# Allegro board C000PD020-3399PRO-DMEB-A-A01.brd (continued)
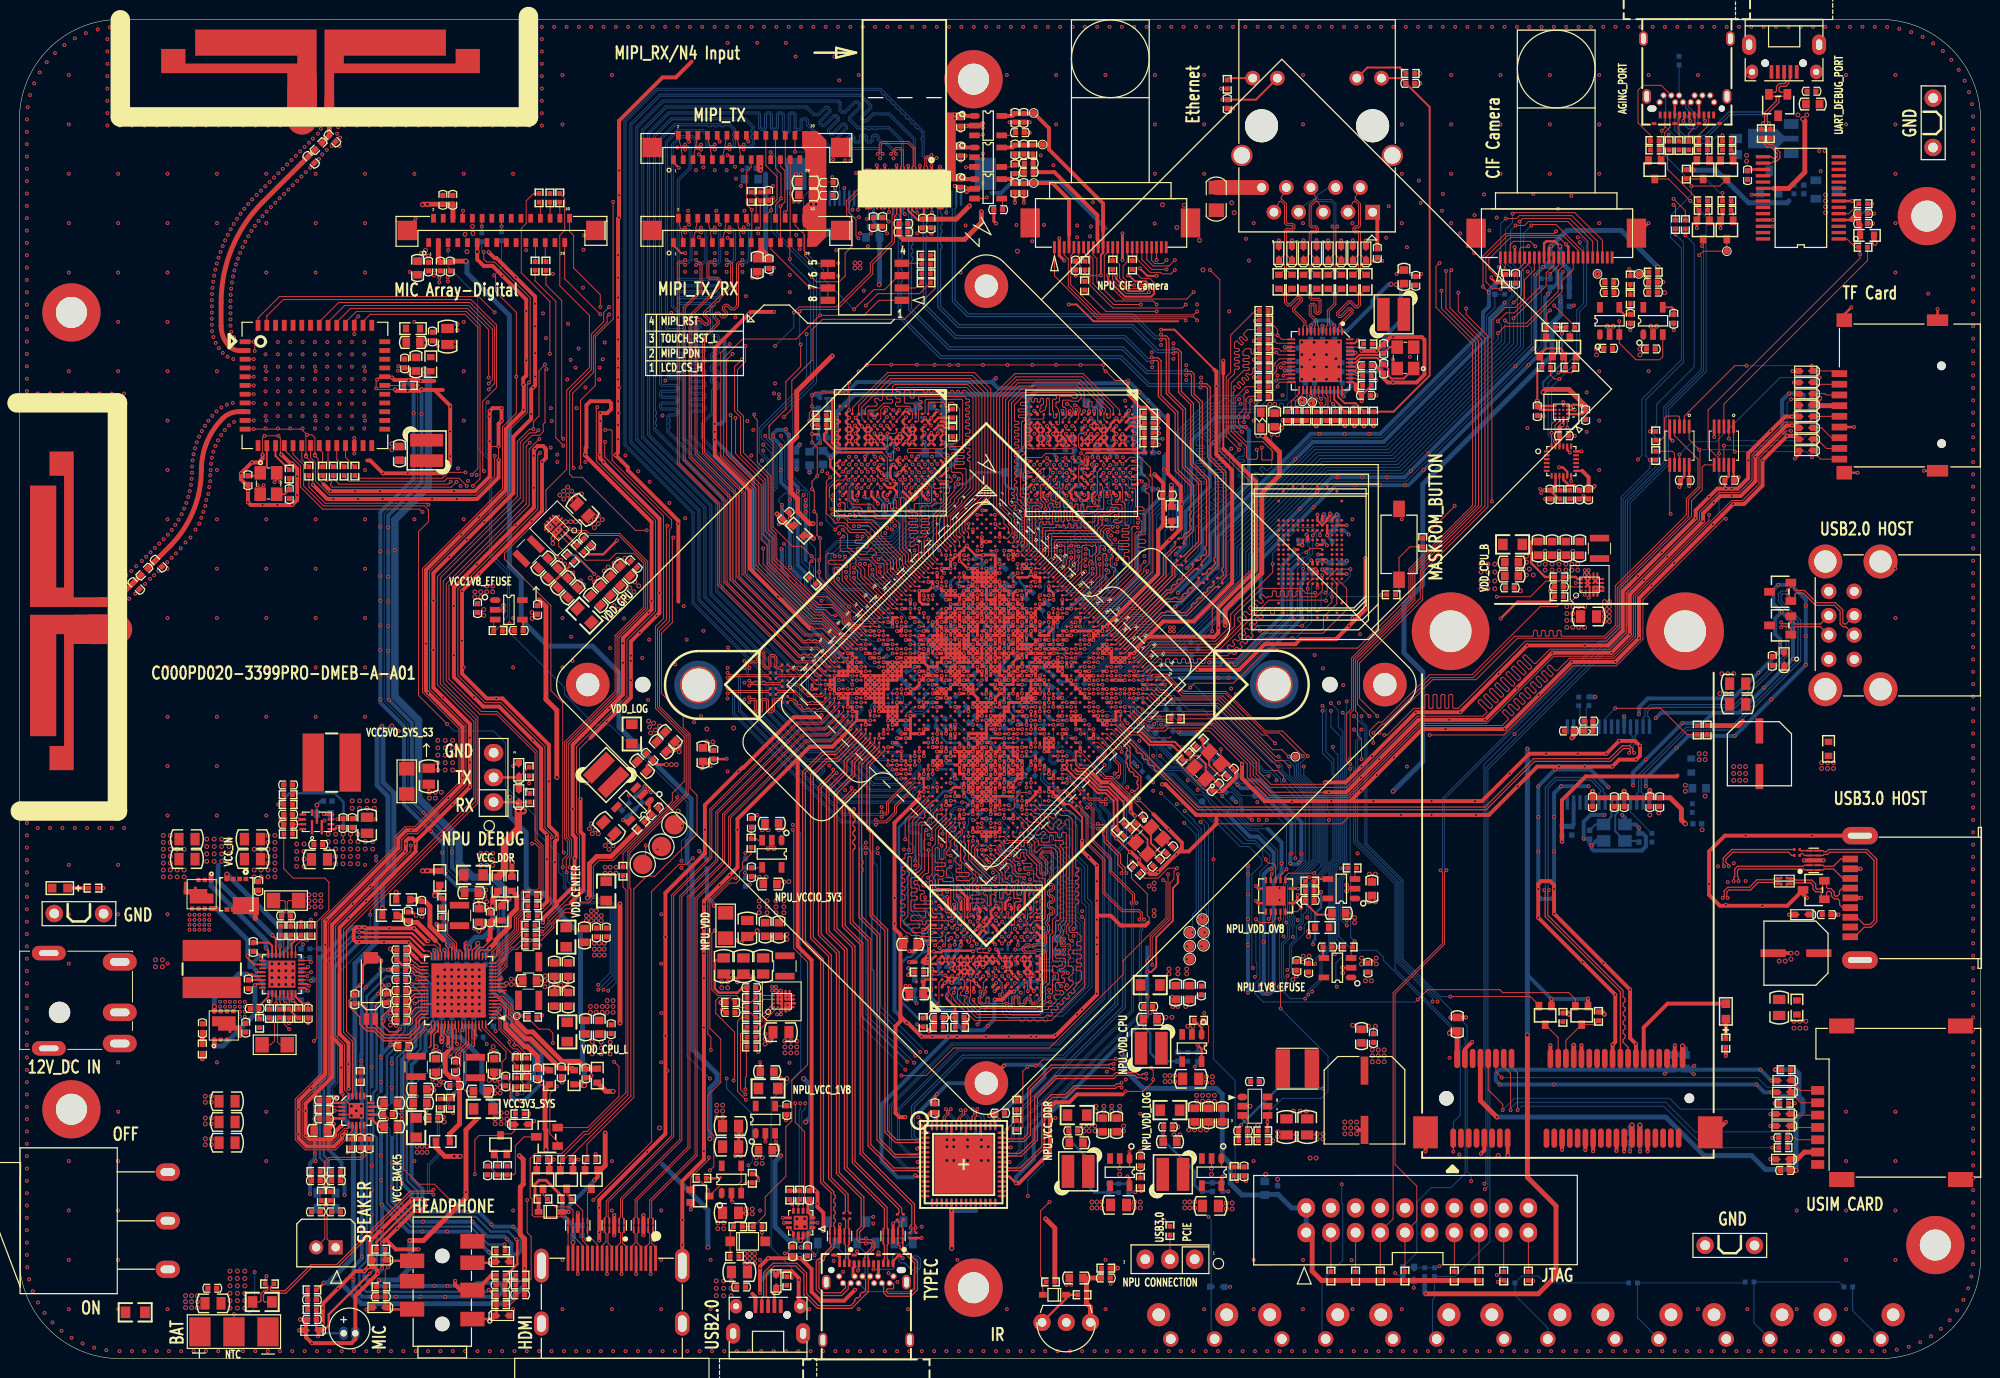
[diagram p0: board, top side]
## Routing (per net, layer and track width the routed paths; a pad name or vN(x,y) marks a point on that pad's centre or on a via; arc(x,y) is an arc through that point) (continued)
DDR1_D14: length 21.3
  TOP w0.102: U1000.A14 106.5,82.34 106.5,84.01 106.77,84.28 111.23,84.28 111.53,84.59 111.53,85.14 111.82,85.43 112.15,85.43 112.35,85.23 112.55,85.03 112.94,85.03 v1(112.98,85.07) ; U3600.E9 111.91,91.62 v1(112.24,91.95)
  BOTTOM w0.102: v1(112.98,85.07) 114.09,85.07 114.68,85.66 114.68,87.46 114.83,87.61 114.83,89.64 114.43,90.05 114.43,90.45 113.94,90.94 113.94,91.35 113.61,91.68 112.72,91.68 112.45,91.95 v1(112.24,91.95)
DDR1_D15: length 22.3
  TOP w0.102: v1(111.99,85.07) 111.94,85.02 111.94,84.49 112.45,83.97 112.45,83.81 112.35,83.71 112.06,83.71 111.75,84.02 106.95,84.02 106.77,83.84 106.77,82.13 105.48,80.84 105.38,80.84 U1000.B14 ; v1(112.15,91.13) 112.23,91.13 112.56,91.46 U3600.D9
  BOTTOM w0.102: v1(111.99,85.07) 112.1,85.18 112.1,85.7 112.61,86.21 113.27,86.21 113.5,85.98 113.97,85.98 114.07,86.08 114.07,87.97 114.22,88.12 114.22,88.25 114.14,88.34 113.91,88.34 113.82,88.43 113.82,89.08 113.91,89.17 114.14,89.17 114.22,89.26 114.22,89.38 114.14,89.47 113.91,89.47 113.82,89.56 113.82,89.85 113.72,89.95 113.44,89.95 113.21,90.17 113.21,90.47 113,90.69 112.6,90.69 112.5,90.79 112.5,91.02 112.38,91.13 v1(112.15,91.13)
DDR1_D16: length 25
  TOP w0.102: U1000.A19 107.77,79.02 108.11,79.36 108.43,79.69 109.55,80.8 109.55,80.88 v1(109.66,80.99) ; v1(104.42,91.96) 104.42,92.02 104.75,92.35 U3600.T8
  S1 w0.102: v1(109.66,80.99) 109.63,81.03 109.22,81.03 109.12,81.13 109.12,81.41 109.02,81.51 108.81,81.51 108.71,81.41 108.71,81.13 108.61,81.03 108.41,81.03 108.31,81.13 108.31,81.41 108.2,81.51 108,81.51 107.9,81.41 107.9,81.13 107.8,81.03 107.59,81.03 107.49,81.13 107.49,81.41 107.39,81.51 107.19,81.51 107.09,81.41 107.09,81.13 106.99,81.03 106.71,81.03 104.11,83.62 104.11,84.69 101.68,87.13 101.68,91.15 103.45,92.92 104.32,92.92 104.42,92.81 v1(104.42,91.96)
DDR1_D17: length 26
  TOP w0.102: v1(110.41,81.81) 110.41,82.05 110.33,82.13 110.19,82.13 110.08,82.02 110.08,82.01 110.04,81.96 110.04,81.65 110.08,81.6 110.08,80.85 107.77,78.54 107.62,78.54 U1000.B19 ; v1(103.8,91.21) 103.85,91.16 104.33,91.16 104.33,91.15 104.73,91.55 U3600.T9
  S1 w0.102: v1(110.41,81.8) 110.35,81.74 110.12,81.74 109.98,81.89 106.35,81.89 105.98,82.27 105.98,82.41 106.34,82.77 106.34,82.92 106.2,83.06 106.06,83.06 105.69,82.7 105.55,82.7 105.41,82.84 105.41,82.98 105.77,83.35 105.77,83.49 105.63,83.64 105.48,83.64 105.12,83.27 104.97,83.27 104.42,83.83 104.42,84.79 102.08,87.13 102.08,90.99 102.36,91.27 103.73,91.27 v1(103.8,91.21)
DDR1_D18: length 25.4
  TOP w0.102: U1000.A20 110.44,80.76 110.44,80.78 110.42,80.78 110.42,80.78 v1(110.43,80.78) ; v1(104.34,90.35) 104.75,90.75 U3600.T10
  S1 w0.102: v1(104.34,90.35) 104.33,90.35 103.95,89.97 103.62,89.97 103.29,89.64 103.29,89.32 103.51,89.11 103.51,88.85 103.4,88.75 103.25,88.75 103.15,88.65 103.15,88.55 103.25,88.45 103.4,88.45 103.51,88.34 103.51,88.24 103.4,88.14 102.9,88.14 102.79,88.04 102.79,87.94 102.9,87.84 103.4,87.84 103.51,87.73 103.51,87.56 103.44,87.5 102.86,87.5 102.79,87.42 102.79,87.24 102.9,87.13 103.25,87.13 103.35,87.03 103.35,86.77 105.74,84.38 109.78,84.38 110.41,83.75 110.41,82.96 110.72,82.66 111.34,82.66 111.5,82.49 111.5,81.6 111.5,81.59 111.5,81.57 111.48,81.55 111.48,81.39 111.39,81.3 110.96,81.3 110.87,81.21 110.87,81.08 110.96,81 111.29,81 111.38,80.9 111.38,80.7 111.07,80.4 110.46,80.4 110.41,80.45 110.41,80.73 110.44,80.76 110.44,80.78 110.42,80.78 110.42,80.78 v1(110.43,80.78)
DDR1_D19: length 25.7
  TOP w0.102: 107.77,78.09 108.25,78.09 110.87,80.71 110.87,81.39 110.77,81.49 110.77,81.95 110.72,82 110.72,82.47 111.18,82.93 111.18,83.57 111.28,83.67 111.61,83.67 111.75,83.53 111.75,83.39 v1(111.63,83.27) ; U3600.T11 104.52,89.95 104.42,89.85 v1(104.42,89.51)
  S1 w0.102: v1(104.42,89.51) 104.42,89.26 104.11,88.96 104.11,88.5 104.22,88.4 104.67,88.4 104.78,88.29 104.78,86.37 105.54,85.6 106.09,85.6 106.2,85.5 106.2,85.1 106.3,84.99 106.44,84.99 106.53,85.09 106.53,85.51 106.62,85.6 106.75,85.6 106.84,85.51 106.84,85.09 106.92,84.99 107.05,84.99 107.14,85.09 107.14,85.51 107.23,85.6 107.36,85.6 107.44,85.51 107.44,85.09 107.53,84.99 107.66,84.99 107.75,85.09 107.75,85.51 107.84,85.6 107.97,85.6 108.05,85.51 108.05,85.09 108.14,84.99 108.27,84.99 108.36,85.09 108.36,85.51 108.45,85.6 108.58,85.6 108.66,85.51 108.66,85.09 108.75,84.99 110.11,84.99 111.13,83.98 111.49,83.98 111.79,83.68 111.79,83.42 v1(111.63,83.27)
DDR1_D20: length 24.7
  TOP w0.102: v1(105.02,91.97) 105.04,91.97 105.41,92.33 105.41,92.35 U3600.R8 ; v1(111.15,81.74) 111.18,81.74 111.18,80.58 U1000.A21
  S1 w0.102: v1(111.15,81.74) 111.18,81.74 111.18,81.74 111.13,81.74 110.11,82.76 110.11,83.62 109.65,84.08 105.54,84.08 102.49,87.13 102.49,88.34 102.59,88.45 102.74,88.45 102.84,88.55 102.84,88.65 102.74,88.75 102.59,88.75 102.49,88.85 102.49,88.95 102.59,89.06 102.9,89.06 103,89.16 103,89.26 102.9,89.36 102.59,89.36 102.49,89.46 102.49,89.56 102.59,89.67 102.9,89.67 103,89.77 103,89.87 102.84,90.02 102.84,90.17 102.95,90.27 103.77,90.27 104.25,90.76 104.25,91.2 v1(105.02,91.97)
DDR1_D21: length 25.7
  TOP w0.102: 108.23,77.63 108.23,77.63 108.7,77.63 109.01,77.94 109.02,77.94 111.49,80.4 111.49,81.58 111.5,81.6 111.5,81.89 111.5,81.89 111.5,82.03 111.48,82.04 111.48,82.75 111.59,82.86 111.73,82.86 111.86,82.73 v1(111.86,82.2) ; v1(104.99,91.15) 105,91.16 105,91.37 105.19,91.55 U3600.R9
  S1 w0.102: v1(111.86,82.2) 111.86,82.53 110.72,83.67 110.72,83.88 109.91,84.69 105.94,84.69 103.81,86.82 103.81,87.03 103.91,87.13 104.32,87.13 104.4,87.21 104.4,87.35 104.32,87.43 103.91,87.43 103.81,87.53 103.81,87.71 103.9,87.8 104.38,87.8 104.47,87.89 104.47,88.01 104.38,88.1 103.9,88.1 103.81,88.19 103.81,89.08 104.01,89.28 104.01,89.61 104.34,89.94 104.48,89.94 104.7,90.16 104.7,90.86 v1(104.99,91.15)
DDR1_D22: length 25.6
  TOP w0.102: v1(112.62,83.27) 112.62,83.06 112.4,82.84 112.4,82.73 112.55,82.58 112.55,82.45 112.46,82.37 112.33,82.37 112.24,82.28 112.24,81.64 112.49,81.39 112.72,81.39 112.8,81.31 112.8,81.13 112.6,80.93 112.6,80.62 109.14,77.17 108.94,77.17 U1000.B22 ; v1(105.05,90.35) 105.3,90.35 105.41,90.46 U3600.R10
  S1 w0.102: v1(105.05,90.35) 105.03,90.35 105.05,90.33 105.05,90.1 104.88,89.92 104.88,89.72 105.08,89.51 105.08,89 104.9,88.82 104.9,88.63 105.18,88.34 105.18,86.47 105.74,85.91 108.97,85.91 109.06,85.82 109.06,85.39 109.15,85.3 109.27,85.3 109.36,85.39 109.36,85.82 109.45,85.91 109.58,85.91 109.67,85.82 109.67,85.39 109.76,85.3 109.88,85.3 109.97,85.39 109.97,85.82 110.06,85.91 110.21,85.91 110.31,85.81 110.31,85.4 110.41,85.3 110.56,85.3 110.7,85.44 110.85,85.44 111.13,85.17 111.13,85.1 110.85,84.82 110.85,84.68 111.23,84.31 111.66,84.31 112.62,83.35 v1(112.62,83.27)
DDR1_D23: length 25.1
  TOP w0.102: U3600.R11 105.18,89.95 105.18,89.96 105.08,89.86 105.08,88.4 105.55,87.92 105.55,87.44 v1(105.59,87.41) ; v1(111.85,81.15) 111.85,81.15 111.91,81.21 112.09,81.21 112.19,81.11 112.19,80.9 112.09,80.8 111.89,80.8 111.79,80.7 111.79,80.27 U1000.A22
  S1 w0.102: v1(105.59,87.41) 105.59,87.03 105.69,86.92 106.07,86.92 106.25,86.75 106.25,86.31 106.35,86.21 106.74,86.21 106.83,86.3 106.83,86.73 106.92,86.82 107.05,86.82 107.14,86.73 107.14,86.3 107.23,86.21 107.35,86.21 107.44,86.3 107.44,86.73 107.53,86.82 107.66,86.82 107.75,86.73 107.75,86.3 107.84,86.21 107.96,86.21 108.05,86.3 108.05,86.73 108.14,86.82 108.27,86.82 108.36,86.73 108.36,86.3 108.45,86.21 108.57,86.21 108.66,86.3 108.66,86.73 108.75,86.82 108.88,86.82 108.97,86.73 108.97,86.3 109.06,86.21 109.77,86.21 110.07,86.52 110.21,86.52 111.43,85.3 111.43,84.99 113,83.42 113,83.14 112.23,82.36 112.23,81.46 111.95,81.18 111.88,81.18 v1(111.85,81.15)
DDR1_D24: length 22.4
  TOP w0.102: U3600.C11 113.52,89.64 113.52,88.19 113.61,88.09 113.77,87.94 113.77,85.86 113.86,85.77 114.08,85.77 114.17,85.68 114.17,85.53 114.07,85.43 113.55,85.43 113.46,85.34 113.46,85.21 113.55,85.13 114.08,85.13 114.17,85.04 114.17,84.91 114.08,84.82 113.55,84.82 113.46,84.73 113.46,84.61 113.55,84.52 114.08,84.52 114.17,84.43 114.17,84.26 114.08,84.17 113.17,84.17 113.08,84.08 113.08,83.96 113.17,83.87 114.08,83.87 114.17,83.77 114.17,83.65 114.08,83.56 113.17,83.56 113.08,83.47 113.08,83.35 113.17,83.26 114.08,83.26 114.17,83.17 114.17,83.04 114.08,82.95 113.77,82.95 113.68,82.86 113.68,82.65 113.78,82.55 114.07,82.55 114.17,82.45 114.17,81.74 U1000.A23
DDR1_D25: length 21.3
  TOP w0.102: v1(115.09,85.5) 114.97,85.62 114.58,85.62 114.48,85.52 114.48,81.58 109.6,76.71 U1000.B23 ; U3600.C10 113.21,90.73 v1(113.6,90.34)
  S1 w0.102: v1(115.09,85.5) 114.68,85.91 114.68,86.82 114.78,86.92 115.29,86.92 115.49,87.13 115.49,87.41 115.41,87.5 114.87,87.5 114.78,87.59 114.78,87.71 114.87,87.8 115.41,87.8 115.49,87.89 115.49,88.02 115.41,88.11 114.87,88.11 114.78,88.2 114.78,88.32 114.87,88.41 115.05,88.41 115.14,88.5 115.14,88.96 115.04,89.06 114.37,89.06 114.07,89.36 114.07,89.87 v1(113.6,90.34)
DDR1_D26: length 19.6
  TOP w0.102: v1(113.59,91.16) 113.59,91.17 U3600.C9 ; v1(115.09,86.52) 115.49,86.11 115.49,85.18 115.39,85.08 114.97,85.08 114.78,84.89 114.78,81.43 U1000.A24
  S1 w0.102: v1(115.09,86.52) 115.7,86.52 115.8,86.62 115.8,88.71 115.14,89.36 114.53,89.36 114.38,89.51 114.38,90.12 113.72,90.78 113.69,90.78 113.59,90.88 v1(113.59,91.16)
DDR1_D27: length 19.9
  TOP w0.102: U1000.A25 110.52,76.25 115.39,81.12 115.39,81.61 v1(115.78,82) ; v1(113.51,92.06) 113.5,92.06 U3600.C8
  S1 w0.102: v1(113.51,92.06) 113.94,91.63 113.94,90.97 114.63,90.28 114.63,89.88 114.84,89.67 115.25,89.67 116.1,88.81 116.1,82.32 v1(115.78,82)
DDR1_D28: length 22.9
  TOP w0.102: U3600.B11 114.24,89.57 114.68,89.57 114.86,89.39 114.86,87.73 114.95,87.64 115.54,87.64 115.73,87.46 115.73,87.33 115.64,87.24 114.77,87.24 114.68,87.15 114.68,87.03 114.78,86.92 115.7,86.92 115.85,86.77 115.85,84.88 115.73,84.77 115.19,84.77 115.09,84.67 115.09,84.4 115.19,84.3 115.76,84.3 115.86,84.2 115.86,83.99 115.76,83.89 115.19,83.89 115.09,83.79 115.09,83.59 115.19,83.48 115.76,83.48 115.86,83.38 115.86,83.18 115.76,83.08 115.19,83.08 115.09,82.98 115.09,81.28 110.06,76.25 109.86,76.25 109.85,76.25 U1000.B24
DDR1_D29: length 19.4
  TOP w0.102: v1(115.5,90.26) 115.34,90.43 114.35,90.43 114.03,90.75 U3600.B10 ; U1000.A26 111.36,76.16 116.05,80.85 v1(116.05,81.04)
  S1 w0.102: v1(115.5,90.26) 115.62,90.38 115.92,90.38 116.41,89.9 116.41,81.39 v1(116.05,81.04)
DDR1_D30: length 21.4
  TOP w0.102: U3600.B9 114.23,91.93 115.14,91.93 115.44,91.62 115.44,91.2 116.24,90.4 116.24,89.7 116.08,89.54 115.95,89.54 115.85,89.44 115.85,89.17 115.95,89.07 116.14,89.07 116.24,88.97 116.24,81.82 115.7,81.27 115.7,80.97 110.52,75.79 U1000.B25
DDR1_D31: length 22.3
  TOP w0.102: U3600.B8 114.24,92.74 115.32,92.74 116.39,91.68 116.39,90.79 116.56,90.61 116.56,80.92 110.97,75.33 110.52,75.33 U1000.B26
DDR1_DM0: length 25.8
  TOP w0.102: v1(105.01,78.54) 104.83,78.37 104.83,78.22 104.97,78.09 U1000.E17 ; v1(107.63,92.71) 107.99,92.35 U3600.L8
  BOTTOM w0.102: v1(107.63,92.71) 107.26,92.71 106.91,92.36 106.3,92.36 106.1,92.16 106.1,91.9 105.87,91.67 105.55,91.67 105.39,91.51 105.39,91.01 105.11,90.73 104.88,90.73 104.7,90.55 104.7,90.2 104.47,89.97 104.32,89.97 104.01,89.67 104.01,89.16 103.81,88.96 102.39,88.96 102.29,88.85 102.29,88.55 102.37,88.46 102.6,88.46 102.69,88.37 102.69,88.25 102.6,88.16 102.37,88.16 102.29,88.07 102.29,87.94 102.37,87.85 102.6,87.85 102.69,87.76 102.69,87.64 102.6,87.55 102.37,87.55 102.29,87.46 102.29,87.33 102.37,87.24 102.6,87.24 102.69,87.15 102.69,87.03 102.6,86.94 102.37,86.94 102.29,86.85 102.29,86.72 102.37,86.63 102.6,86.63 102.69,86.54 102.69,86.42 102.6,86.33 102.37,86.33 102.29,86.24 102.29,86.11 102.37,86.02 102.6,86.02 102.69,85.93 102.69,85.81 102.6,85.72 102.37,85.72 102.29,85.63 102.29,85.45 102.37,85.36 102.6,85.36 102.69,85.27 102.69,85.14 102.6,85.05 102.37,85.05 102.29,84.96 102.29,84.84 102.37,84.75 102.6,84.75 102.69,84.66 102.69,84.53 102.6,84.44 102.37,84.44 102.29,84.35 102.29,84.08 102.39,83.98 102.49,83.98 102.69,83.77 102.69,83.22 103.67,82.25 103.81,82.25 104.9,81.16 105.36,81.16 105.86,80.66 105.86,79.97 105.49,79.6 105.49,79.03 v1(105.01,78.54)
DDR1_DM1: length 24.5
  TOP w0.102: U1000.E14 104.08,79.46 v1(104.09,79.46) ; U3600.G8 110.6,92.35 110.35,92.1 v1(110.35,92.01)
  S1 w0.102: v1(112.75,84.28) 113.33,83.7 113.33,83.1 112.44,82.2 112.44,81.22 110.9,79.69 107.42,79.69 106.27,80.83 105.06,80.83 104.53,80.29 104.37,80.29 104.09,80.01 v1(104.09,79.46)
  BOTTOM w0.102: v1(112.75,84.28) 112.24,84.28 110.97,85.55 110.97,86.8 111.56,87.39 111.56,89.05 111.18,89.44 111.18,90.05 110.87,90.35 110.87,91.17 110.3,91.74 110.3,91.96 v1(110.35,92.01)
DDR1_DM2: length 27.7
  TOP w0.102: v1(106.38,77.16) 106.39,77.16 U1000.E20 ; v1(105.75,92.66) U3600.P8
  S1 w0.102: v1(106.38,77.16) 106.78,77.16 107.32,77.7 107.44,77.7 108.43,78.69 111.2,78.69 114.09,81.59 114.09,82.06 114.02,82.14 114.02,83.53 112.34,85.21 112.34,85.22 112.13,85.42 112.13,85.42 111.85,85.71 111.53,85.71 110.11,87.13 106.38,87.13 105.39,88.12 105.39,90.19 105.4,90.21 105.4,90.87 105.37,90.9 105.37,92.28 v1(105.75,92.66)
DDR1_DM3: length 22.3
  TOP w0.089: U1000.E23 v1(108.22,75.33)
  TOP w0.102: U3600.D8 v1(112.88,92.03)
  S1 w0.102: v1(108.22,75.33) 108.22,75.85 109.45,77.07 110.9,77.07 114.83,81.01 114.83,84.34 113.87,85.31 113.87,86.52 112.48,87.91 112.48,90.89 112.51,90.92 112.51,91.38 112.88,91.75 v1(112.88,92.03)
DDR1_DQS0M: length 26.2
  TOP w0.102: U3600.L11 108.01,89.96 107.78,89.96 107.68,89.85 107.68,89.63 107.74,89.58 107.74,89.57 v1(107.73,89.57) ; v1(105.92,78.54) 105.85,78.47 105.55,78.47 U1000.D17
  BOTTOM w0.102: v1(107.73,89.57) 107.74,89.57 107.74,89.58 107.68,89.63 107.68,89.86 107.77,89.95 107.96,89.95 108.13,89.78 108.13,86.38 108.5,86.01 109.06,86.01 111.02,84.05 111.02,82.97 111.43,82.56 112.14,82.56 112.24,82.45 112.24,81.44 112.85,80.83 112.85,79.49 112.46,79.09 112.36,79 112.11,79 112.09,79.02 112.02,79.09 112.02,80.32 111.81,80.52 111.34,80.52 111.13,80.32 111.13,79.12 111.01,79 108.87,79 108.77,79.1 108.77,79.18 108.67,79.28 108.46,79.28 108.36,79.18 108.36,79.1 108.26,79 108.03,79 107.58,79.45 106.97,79.45 106.3,78.77 106.3,78.47 106.2,78.36 106,78.36 105.92,78.44 v1(105.92,78.54)
DDR1_DQS0P: length 25.5
  TOP w0.102: U1000.D18 106.39,78.09 v1(106.4,78.07) ; U3600.L10 108.01,90.66 107.76,90.42 107.76,90.36 v1(107.74,90.36)
  BOTTOM w0.102: v1(106.4,78.07) 106.37,78.07 106.49,78.19 106.49,78.27 106.5,78.28 106.5,78.69 107.03,79.21 107.42,79.21 107.84,78.8 111.1,78.8 111.33,79.03 111.33,80.23 111.42,80.32 111.72,80.32 111.8,80.25 111.82,80.23 111.82,79 112.02,78.8 112.45,78.8 113.06,79.41 113.06,80.91 112.45,81.52 112.45,82.54 112.23,82.76 111.52,82.76 111.23,83.05 111.23,84.13 109.14,86.21 108.59,86.21 108.33,86.47 108.33,89.87 108.05,90.15 107.96,90.15 107.76,90.36 v1(107.74,90.36)
DDR1_DQS1M: length 23.5
  TOP w0.102: v1(110.36,89.54) 110.28,89.62 110.28,89.85 110.38,89.95 110.6,89.96 U3600.G11 ; v1(104.55,79.92) 104.41,80.06 104.22,80.06 U1000.D14
  S1 w0.102: v1(104.55,79.92) 104.55,79.84 104.65,79.74 104.79,79.74 104.88,79.82 104.88,80.18 105.2,80.5 105.75,80.5 105.94,80.31 106.05,80.31 106.24,80.13 106.24,80.01 106.85,79.4 111.11,79.4 113.16,81.45 113.16,82.08 113,82.24 112.96,82.24 112.96,82.23 v1(112.96,82.23)
  BOTTOM w0.102: v1(110.36,89.54) 110.36,89.76 110.46,89.86 110.57,89.86 110.67,89.76 110.67,89.34 110.26,88.93 110.26,88.6 109.93,88.27 109.93,88.1 109.93,87.65 110.41,87.17 110.41,85.37 112.11,83.67 113.26,83.67 113.36,83.57 113.36,83.25 113.16,83.05 113.16,82.42 113.11,82.37 113.11,82.33 113.02,82.24 112.96,82.24 112.96,82.23 v1(112.96,82.23)
DDR1_DQS1P: length 23.3
  TOP w0.102: v1(105,79.45) 104.99,79.46 U1000.D15 ; U3600.G10 110.6,90.75 110.26,90.41 v1(110.26,90.35)
  S1 w0.102: v1(113.51,82.3) 113.51,82.24 113.36,82.09 113.36,81.36 111.18,79.18 106.78,79.18 105.66,80.29 105.28,80.29 105.11,80.12 105.11,79.56 v1(105,79.45)
  BOTTOM w0.102: v1(113.51,82.3) 113.46,82.3 113.36,82.4 113.36,82.96 113.56,83.17 113.56,83.66 113.34,83.88 112.2,83.88 110.88,85.2 110.62,85.46 110.62,87.26 110.13,87.74 110.13,88.19 110.46,88.52 110.46,88.85 110.87,89.25 110.87,89.85 110.63,90.09 110.53,90.09 v1(110.26,90.35)
DDR1_DQS2M: length 26.1
  TOP w0.102: U3600.P11 106.06,89.96 105.74,89.64 v1(105.74,89.56) ; v1(107.3,77.16) 107.18,77.04 106.97,77.04 U1000.D20
  S1 w0.102: v1(105.74,89.56) 105.74,89.87 105.84,89.97 106.05,89.97 106.16,89.85 106.16,87.9 106.16,87.77 106.5,87.43 111.23,87.43 112.52,86.14 113.14,86.14 113.36,85.93 113.36,85.01 114.33,84.05 114.33,81.3 110.79,77.75 110.41,77.75 110.08,78.09 109.32,78.09 108.99,77.75 108.03,77.75 107.87,77.6 107.77,77.6 107.62,77.45 107.62,77.25 107.52,77.15 107.32,77.15 v1(107.3,77.16)
DDR1_DQS2P: length 26.2
  TOP w0.102: v1(107.76,76.7) 107.31,76.7 U1000.D21 ; U3600.P10 105.77,90.47 v1(105.77,90.35)
  S1 w0.102: v1(105.77,90.35) 105.94,90.17 106.13,90.17 106.28,90.02 106.3,90.02 106.33,89.99 106.33,89.97 106.37,89.93 106.37,87.86 106.59,87.64 111.14,87.64 111.14,87.64 111.31,87.64 112.6,86.34 113.23,86.34 113.56,86.01 113.56,85.84 113.56,85.1 114.53,84.13 114.53,83.96 114.53,83.96 114.53,81.38 114.53,81.38 114.53,81.21 110.99,77.67 110.87,77.55 110.33,77.55 110,77.88 109.41,77.88 109.08,77.55 108.11,77.55 107.96,77.4 107.96,77.4 107.82,77.26 107.82,76.76 v1(107.76,76.7)
DDR1_DQS3M: length 20.9
  TOP w0.102: U3600.D11 112.58,89.98 112.76,89.98 112.89,89.85 v1(112.89,89.61) ; U1000.D23 108.4,75.61 108.55,75.61 108.68,75.74 v1(108.68,75.78)
  S1 w0.102: v1(112.89,89.61) 112.8,89.7 112.8,89.84 112.9,89.94 113.14,89.94 113.46,89.62 113.46,88.67 114.17,87.96 114.17,85.5 115.19,84.49 115.19,80.51 111.73,77.05 111.73,76.85 111.45,76.57 110.06,76.57 109.67,76.18 109.67,76.04 109.41,75.78 109.13,75.78 109.09,75.75 108.72,75.75 v1(108.68,75.78)
DDR1_DQS3P: length 20.7
  TOP w0.102: v1(109.14,75.33) 109.14,75.33 U1000.D24 ; U3600.D10 112.56,90.75 112.85,90.46 v1(112.85,90.32)
  S1 w0.102: v1(112.85,90.32) 112.89,90.32 113.04,90.17 113.21,90.17 113.67,89.72 113.67,88.75 114.38,88.04 114.38,85.59 115.39,84.57 115.39,80.42 111.94,76.97 111.94,76.77 111.53,76.36 110.14,76.36 109.87,76.09 109.87,75.96 109.49,75.58 109.26,75.58 109.16,75.48 109.16,75.43 109.14,75.42 v1(109.14,75.33)
DDR1_ODT0: length 29
  TOP w0.102: v1(102.71,81.76) 102.71,81.76 U1000.D11 ; v1(109.03,92.68) 109.31,92.4 U3600.J8
  S1 w0.102: v1(102.71,81.76) 102.71,82.16 103.03,82.49 104.11,82.49 104.22,82.59 104.22,82.76 104.11,82.86 103.1,82.86 103,82.96 103,83.16 103.1,83.26 103.61,83.26 103.71,83.37 103.71,83.57 103.61,83.67 103,83.67 102.9,83.77 102.9,83.98 103,84.08 103.71,84.08 103.81,84.18 103.81,84.38 103.71,84.48 103.1,84.48 103,84.59 103,85.4 101.37,87.02 101.37,91.81 101.47,91.91 101.93,91.91 103.4,93.37 103.75,93.37 103.85,93.48 103.85,93.73 103.95,93.83 104.15,93.83 104.25,93.73 104.25,93.48 104.36,93.37 104.56,93.37 104.66,93.48 104.66,93.73 104.76,93.83 104.96,93.83 105.06,93.73 105.06,93.63 105.16,93.53 105.36,93.53 105.47,93.63 105.47,93.73 105.57,93.83 105.77,93.83 105.87,93.73 105.87,93.48 105.97,93.37 106.18,93.37 106.28,93.48 106.28,93.73 106.38,93.83 106.58,93.83 106.69,93.73 106.69,93.48 106.79,93.37 106.99,93.37 107.09,93.48 107.09,93.73 107.19,93.83 107.4,93.83 107.5,93.73 107.5,93.42 107.6,93.32 107.92,93.32 107.92,93.33 108.03,93.43 108.03,93.53 108.21,93.72 108.35,93.72 108.53,93.53 108.53,93.27 109.03,92.78 v1(109.03,92.68)
DEBUG_DM: length 28.3
  TOP w0.127: v1(171.22,127.37) 171.33,127.47 J9702.A7 ; R9708.2 180.16,126.96 v1(180.01,127.11) 179.86,127.26 179.86,128.08 181.05,129.27 181.05,129.78 181.18,129.91 181.74,129.91 U9701.1 181.7,130.31 181.2,130.31 181.08,130.44 181.08,130.8 181.2,130.92 181.76,130.92 182.05,131.21 182.05,131.49 182.23,131.67 J9701.2
  BOTTOM w0.127: v1(180.01,127.11) 179.86,127.26 179.86,127.77 179.35,128.28 175.9,128.28 173.46,125.84 171.32,125.84 170.61,126.55 170.61,127.67 170.82,127.87 171.22,127.87 171.33,127.76 171.33,127.58 171.22,127.47 v1(171.22,127.37) 171.45,127.14 171.45,126.84 171.74,126.55 172.46,126.55 172.75,126.84 172.75,127.82 171.72,128.84 171.72,129.02 J9702.B7
DEBUG_DP: length 28.2
  TOP w0.127: J9702.A6 171.83,127.47 v1(171.93,127.37) ; R9709.2 179.25,126.96 v1(179.4,127.11) 179.58,127.29 179.58,128.19 180.77,129.39 180.77,129.78 180.65,129.91 180.21,129.91 U9701.2 180.25,130.31 180.67,130.31 180.8,130.44 180.8,130.91 181.09,131.2 181.64,131.2 181.77,131.33 181.77,131.45 181.58,131.63 J9701.3
  BOTTOM w0.127: v1(179.4,127.11) 179.58,127.29 179.58,127.66 179.23,128 176.01,128 173.57,125.56 171.21,125.56 170.33,126.44 170.33,127.79 170.7,128.15 171.34,128.15 171.61,127.88 171.61,127.76 171.93,127.44 v1(171.93,127.37) 171.91,127.37 171.73,127.19 171.73,126.96 171.86,126.83 172.34,126.83 172.47,126.96 172.47,127.7 171.44,128.73 171.44,129.02 J9702.B6
DVP_DOVDD: length 27.2
  TOP w0.254: v1(157.61,114.46) 157.39,114.24 J4700.11 ; v1(151.46,111.26) 151.46,111.16 151.96,110.66 R4702.1
  TOP w0.508: R4703.2 v2(168.57,112.34)
  S1 w0.254: v1(157.61,114.46) 157.1,114.97 152.22,114.97 151.51,114.26 151.51,111.31 v1(151.46,111.26)
  BOTTOM w0.508: v2(168.57,112.34) 164.82,116.09 159.23,116.09 v1(157.61,114.46) 157.51,114.36 C4705.1
DVP_DVDD: length 9
  TOP w0.254: J4700.10 156.89,114.76 157.1,114.97 158.01,114.97 v2(158.52,114.46)
  BOTTOM w0.508: v2(158.52,114.46) 158.52,112.94 159.48,111.98 C4711.1 C4710.1 R4704.2
DVP_PDN0_H: length 82.8
  TOP w0.102: v1(151.51,88.2) 151.51,106.84 152.83,108.16 153.95,108.16 154.86,109.08 154.86,111.01 155.89,112.03 J4700.8 ; U1000.E32 v1(112.36,71.19)
  S1 w0.089: 116.66,71.28 113.65,71.28 113.41,71.51 113.15,71.51 112.91,71.28 112.45,71.28 v1(112.36,71.19)
  S1 w0.102: v1(151.51,88.2) 147.4,88.2 147.29,88.1 147.29,85.15 136.68,74.53 136.68,70.96 136.68,68.9 135.76,67.98 133.22,67.98 132.46,67.22 121.79,67.22 117.73,71.28 116.66,71.28
DVP_PDN1_H: length 129.9
  TOP w0.102: R4705.1 v1(165.75,108.08) ; U1000.AM5 v1(86.62,71.19)
  S1 w0.102: v1(165.75,108.08) 164.82,107.15 155.44,107.15 154.93,107.66 146.38,107.66 146.23,107.81 125.81,107.81 124.79,108.82 115.24,108.82 111.84,105.42 v1(81,105.42)
  BOTTOM w0.089: 84.35,73.32 84.46,73.21 85.37,73.21
  BOTTOM w0.102: 84.35,73.32 81.1,76.57 80.9,76.57 76.94,80.53 76.94,83.88 76.43,84.39 76.43,89.57 76.94,90.08 76.94,92.42 76.12,93.23 76.12,95.75 81,100.63 v1(81,105.42) ; 85.37,73.21 86.59,71.99 86.59,71.23 v1(86.62,71.19)
DVP_PDN1_H_1V8: length 17.1
  TOP w0.102: J4700.1 152.39,112.49 v1(152.22,112.33) ; R4705.2 v1(165.75,109.99) R4706.1
  S1 w0.102: v1(165.75,109.99) 164.84,110.91 160.96,110.91 158.93,112.94 152.83,112.94 v1(152.22,112.33)
EDP_AUXN: length 58.8
  TOP w0.127: v1(116.51,103.03) 116.56,102.98 117.17,102.98 117.48,102.68 117.48,99.12 119.2,97.39 119.2,91.48 120.83,89.86 120.83,85.21 119.8,84.18 C5001.2
  BOTTOM w0.127: v1(116.51,103.03) 116.38,102.91 116.13,102.91 113.77,105.27 96.39,105.27 93.28,108.38 93.28,115.02 93.45,115.19 93.45,115.44 93.28,115.61 93.28,115.86 93.45,116.03 93.45,116.29 93.28,116.46 93.28,116.71 93.45,116.88 93.45,117.13 93.28,117.3 93.28,118.34 93.39,118.45 J5000.8
EDP_AUXP: length 58.6
  TOP w0.127: C5000.2 119.61,84.38 119.81,84.58 119.81,84.77 119.99,84.94 120.17,84.94 120.55,85.32 120.55,85.66 120.42,85.79 120.42,86.05 120.55,86.17 120.55,86.43 120.42,86.55 120.42,86.81 120.55,86.93 120.55,87.19 120.42,87.32 120.42,87.57 120.55,87.7 120.55,89.74 118.92,91.37 118.92,97.28 117.2,99.01 117.2,102.56 117.05,102.7 116.72,102.7 v1(116.54,102.53)
  BOTTOM w0.127: v1(116.54,102.53) 116.44,102.63 116.01,102.63 113.65,104.99 96.28,104.99 93,108.27 93,118.34 92.89,118.45 J5000.9
EDP_TX0N: length 59.3
  TOP w0.127: C1706.2 120.01,82.35 121.62,83.96 121.62,90.18 119.99,91.81 119.99,97.72 118.29,99.43 118.29,104.95 118,105.24 117.6,105.24 v1(117.48,105.37)
  BOTTOM w0.127: J5000.2 96.39,118.45 96.28,118.34 96.28,108.89 97.66,107.5 114.63,107.5 116.89,105.24 117.48,105.24 v1(117.48,105.37)
EDP_TX0P: length 59
  TOP w0.127: C1705.2 119.81,82.55 121.34,84.08 121.34,90.07 119.71,91.69 119.71,97.61 118.01,99.31 118.01,104.84 117.88,104.96 117.58,104.96 v1(117.48,104.85)
  BOTTOM w0.127: J5000.3 95.89,118.45 96,118.34 96,108.77 97.55,107.22 114.51,107.22 116.78,104.96 117.37,104.96 v1(117.48,104.85)
EDP_TX1N: length 62
  TOP w0.127: C1708.2 121.63,81.95 122.43,82.74 122.43,90.52 120.8,92.14 120.8,98.28 119.56,99.53 119.56,103.54 119.2,103.9 118.8,103.9 v1(118.75,103.95)
  BOTTOM w0.127: v1(118.75,103.95) 118.59,103.8 117.17,103.8 114.58,106.39 96.7,106.39 94.78,108.31 94.78,114.16 94.92,114.3 94.92,114.55 94.78,114.7 94.78,114.95 94.92,115.09 94.92,115.35 94.78,115.49 94.78,115.74 94.92,115.88 94.92,116.14 94.78,116.28 94.78,116.53 94.92,116.68 94.92,116.93 94.78,117.07 94.78,117.33 94.92,117.47 94.92,117.72 94.78,117.87 94.78,118.34 94.89,118.45 J5000.5
EDP_TX1P: length 61.5
  TOP w0.127: v1(118.75,103.44) 118.91,103.59 119.11,103.59 119.28,103.43 119.28,99.41 120.52,98.17 120.52,92.03 122.15,90.4 122.15,83.68 122,83.53 122,83.27 122.15,83.12 122.15,82.86 121.94,82.65 121.76,82.65 121.58,82.47 121.58,82.29 121.43,82.15 C1707.2
  BOTTOM w0.127: v1(118.75,103.44) 118.68,103.52 117.05,103.52 114.46,106.11 96.58,106.11 94.5,108.19 94.5,118.34 94.39,118.45 J5000.6
